# KiCad board choctopus44.kicad_pcb (continued)
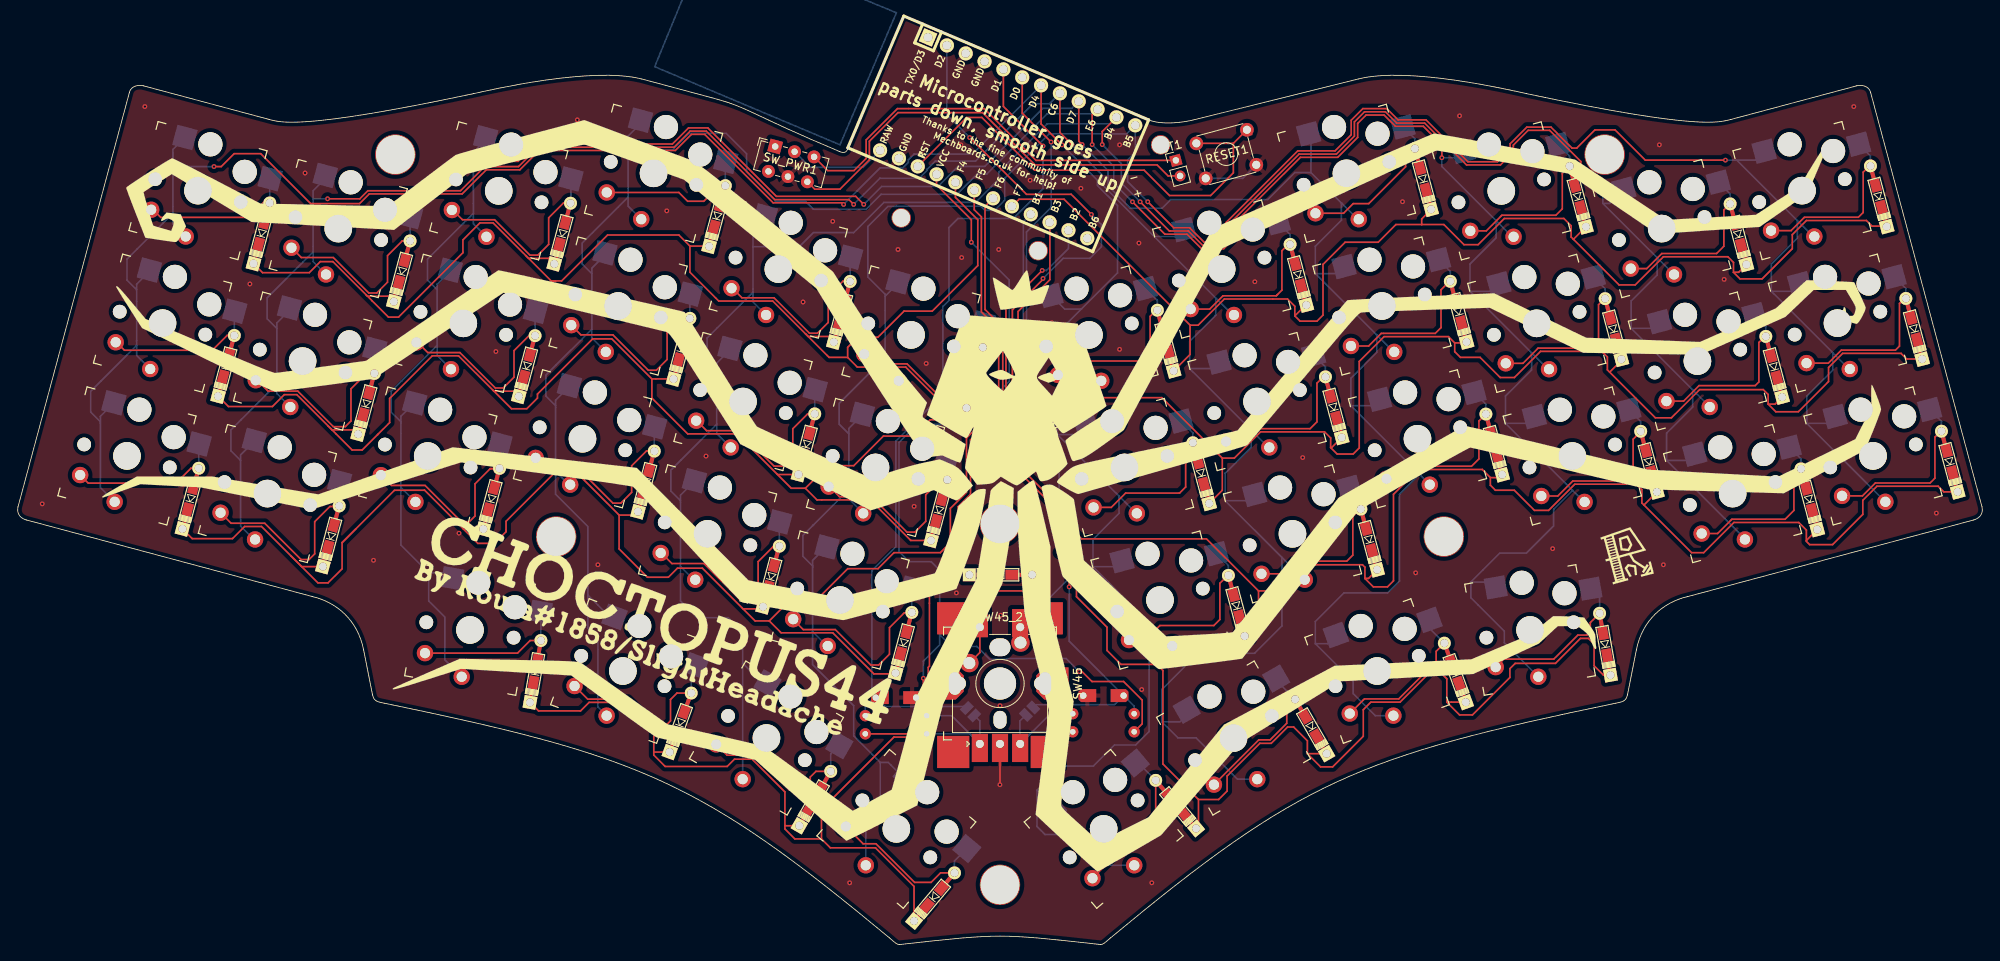
[diagram p0: board, top side]
## Routing (per net, layer and track width the routed paths; a pad name or vN(x,y) marks a point on that pad's centre or on a via; arc(x,y) is an arc through that point) (continued)
col3: length 349.8
  Top w0.2: v1(133.56,99.39) 133.56,103.09 U1.10 ; v1(138.56,92.29) 142.59,88.26 145.33,88.26 147.13,86.46 149.89,86.46 150.96,87.53 150.96,89.36 159.41,97.81 164.04,97.81 166.51,100.28 166.51,102.01 167.56,103.06 169.79,103.06 171.19,101.66 174.66,101.66 176.96,99.36 v1(176.96,97.76) ; 133.54,104.14 133.54,103.9
  Bottom w0.2: 188.47,65.52 187.72,64.77 184.86,64.77 ; 193.19,56.44 184.86,64.77 ; 193.19,56.44 194.7,54.93 ; 193.19,56.44 190.84,54.09 190.84,52.04 187.46,48.66 184.16,48.66 180.56,45.06 ; 184.86,64.77 184.86,68.16 188.09,71.39 188.09,73.53 188.06,73.56 ; v1(176.96,97.76) 176.96,97.68 ; v1(176.96,97.76) 178.86,97.76 SW22.1 ; v1(176.96,97.76) 176.96,96.67 183.66,89.96 ; 71.46,76.46 67.06,72.06 ; 71.46,76.46 71.46,75.37 SW10.1 ; 71.46,76.46 71.46,83.36 ; 180.56,45.06 180.56,43.11 184.71,38.96 184.71,37.52 SW44.1 ; 180.56,45.06 182.99,45.06 SW44.1 ; 67.06,72.06 66.96,71.96 ; 67.06,72.06 65.76,70.76 65.76,68.16 66.96,66.96 ; 75.96,98.71 81.46,98.71 83.53,100.79 88.13,100.79 90.66,98.26 90.66,95.96 94.26,92.36 97.96,92.36 98.96,91.36 105.5,91.36 107.35,93.21 116.76,93.21 119.26,95.71 120.46,95.71 127.96,103.21 133.68,103.21 U1.10 ; 75.96,98.71 75.96,92.86 ; 75.96,98.71 75.96,100.45 77.64,102.12 77.64,102.14 ; 68.64,69.32 66.96,67.65 66.96,66.96 ; 66.96,58.8 66.96,66.96 ; 66.96,58.8 66.96,55.96 70.96,51.96 70.96,43.46 ; 66.96,58.8 68.73,57.03 ; 73.14,85.72 71.46,84.05 71.46,83.36 ; 74.46,39.96 70.96,43.46 ; SW38.1 72.21,29.55 72.21,38.11 70.96,39.36 70.96,43.46 ; SW4.1 75.96,91.75 75.96,92.86 ; v1(133.56,99.39) 136.24,96.71 136.24,94.61 v1(138.56,92.29) ; 71.46,83.36 70.26,84.56 70.26,87.16 75.96,92.86 ; 180.46,81.17 183.32,81.17 184.07,81.92 ; 180.46,81.17 180.46,84.56 183.69,87.79 183.69,89.93 183.66,89.96 ; 180.46,81.17 188.06,73.56 ; 183.66,89.96 185.9,87.73 ; 188.06,73.56 190.3,71.33
col4: length 318.2
  Top w0.2: v1(134.81,99.39) 134.81,101.01 U1.11 ; v1(139.51,92.29) 143.14,88.66 145.49,88.66 147.29,86.86 149.73,86.86 150.56,87.69 150.56,89.53 159.24,98.21 163.88,98.21 166.11,100.44 166.11,102.21 167.36,103.46 169.96,103.46 171.36,102.06 174.83,102.06 180.03,96.86 184.23,96.86 185.84,98.47 185.84,99.33 187.67,101.16 190.34,101.16 194.21,97.29 194.21,96.23 v1(196.94,93.5)
  Bottom w0.2: 214.7,50.33 204.86,60.17 ; 204.86,60.17 204.86,63.56 208.09,66.79 208.09,68.93 208.06,68.96 ; 204.86,60.17 207.72,60.17 208.47,60.92 ; 210.3,66.73 208.06,68.96 ; 208.06,68.96 200.46,76.57 ; 86.96,64.66 86.96,71.56 ; 86.96,64.66 86.96,63.51 SW11.1 ; 86.96,64.66 82.56,60.26 ; 82.56,60.26 81.26,58.96 81.26,56.36 82.46,55.16 ; 82.56,60.26 82.46,60.16 ; 82.46,55.16 82.46,55.85 84.14,57.52 ; 82.46,55.16 82.46,47 ; 91.46,81.06 91.46,86.71 ; 91.46,81.06 91.46,79.85 SW5.1 ; 91.46,81.06 85.76,75.36 85.76,72.76 86.96,71.56 ; 196.94,92.09 203.66,85.36 ; 196.94,92.09 197.78,92.09 SW23.1 ; 196.94,92.09 v1(196.94,93.5) ; 203.66,85.36 205.9,83.13 ; 203.66,85.36 203.69,85.33 203.69,83.19 200.46,79.96 200.46,76.57 ; 200.46,76.57 203.32,76.57 204.07,77.32 ; 91.46,86.71 91.46,88.65 93.14,90.32 93.14,90.34 ; 91.46,86.71 97.21,86.71 98.96,88.46 103.96,88.46 107.71,92.21 119.1,92.21 121.96,95.07 121.96,95.96 127.96,101.96 135.76,101.96 U1.11 ; 88.64,73.92 86.96,72.25 86.96,71.56 ; 90.18,34.84 90.18,38.84 88.38,40.64 84.53,40.64 82.46,42.71 82.46,47 ; 90.18,34.84 SW39.1 ; 90.18,34.84 90.18,34.93 90.21,34.96 93.21,31.96 ; v1(134.81,99.39) 137.19,97.02 137.19,94.61 v1(139.51,92.29) ; 82.46,47 84.23,45.23
col5: length 330.4
  Top w0.2: v1(140.46,92.29) 143.69,89.06 145.66,89.06 147.46,87.26 149.56,87.26 150.16,87.86 150.16,89.69 159.08,98.61 163.71,98.61 165.71,100.61 165.71,102.41 167.16,103.86 170.13,103.86 171.53,102.46 174.99,102.46 180.19,97.26 183.86,97.26 185.44,98.84 185.44,99.5 187.5,101.56 190.51,101.56 193.11,98.96 193.71,98.96 195.96,101.21 198.46,101.21 202.21,97.46 v1(212.16,97.46)
  Bottom w0.2: 107.86,80.55 109.54,82.22 109.54,82.24 ; 107.86,80.55 107.86,80.81 105.71,82.96 105.71,89.21 108.21,91.71 109.24,91.71 109.26,91.73 119.72,91.73 120.23,91.23 121.44,91.23 122.71,92.49 122.71,95.21 128.21,100.71 137.84,100.71 U1.12 138.91,98.44 137.96,97.49 137.96,94.79 v1(140.46,92.29) ; 107.86,80.55 107.86,72.96 ; 103.36,63.46 103.36,56.56 ; 103.36,63.46 103.36,64.15 105.04,65.82 ; 103.36,63.46 102.16,64.66 102.16,67.26 107.86,72.96 ; SW40.1 105.46,14.96 107.25,16.75 107.25,22.67 ; 217.86,81.17 217.86,84.56 221.09,87.79 221.09,89.93 ; 217.86,81.17 225.46,73.56 ; 217.86,81.17 220.72,81.17 221.47,81.92 ; SW12.1 103.36,55.38 103.36,56.56 ; 98.96,52.16 98.86,52.06 ; 98.96,52.16 103.36,56.56 ; 98.96,52.16 97.66,50.86 97.66,48.26 98.86,47.06 ; 213.57,97.46 215.85,97.46 SW24.1 ; 213.57,97.46 v1(212.16,97.46) ; 213.57,97.46 221.09,89.93 ; 221.09,89.93 221.06,89.96 223.3,87.73 ; 225.46,73.56 225.49,73.53 225.49,71.39 222.26,68.16 222.26,64.77 ; 225.46,73.56 227.7,71.33 ; 98.86,38.9 100.63,37.13 ; 98.86,38.9 98.86,47.06 ; 98.86,38.9 98.86,34.81 103.96,29.71 103.96,25.96 107.25,22.67 ; 107.86,72.96 107.86,71.74 SW6.1 ; 98.86,47.06 98.86,47.75 100.54,49.42 ; 222.26,64.77 232.1,54.93 ; 222.26,64.77 225.12,64.77 225.87,65.52 ; 107.25,22.67 108.25,22.67 110.46,20.46
Enc1A: length 108
  Top w0.2: U1.5 122.54,104.13 v1(127.46,99.21)
  Bottom w0.2: 107.71,30.96 107.71,30.77 ; R2.1 105.4,29.65 106.46,30.71 C2.2 ; C2.2 106.22,31.2 106.22,46.47 109.19,49.44 109.19,62.55 115.03,68.39 115.03,79.28 115.78,80.04 115.78,89.09 116.91,90.21 123.76,90.21 127.46,93.91 v1(127.46,99.21) ; C2.2 107.81,29.61 117.81,29.61 JP2.1
Enc1B: length 99.3
  Top w0.2: U1.6 124.88,103.29 v1(128.46,99.71) ; v1(129.46,48.71) 130.71,47.46 v1(130.71,44.46)
  Bottom w0.2: JP1.1 126.61,29.83 136.33,29.83 C1.1 ; 136.46,31.02 136.46,31.21 ; C1.1 130.71,37.71 v1(130.71,44.46) ; C1.1 138.77,29.65 R1.1 ; v1(129.46,48.71) 129.46,62.46 128.71,63.21 128.71,66.46 125.41,69.76 125.41,88.53 128.46,91.58 v1(128.46,99.71)
reset: length 58.4
  Top w0.2: 151.08,99.54 RESET1.3 153.36,100.63 ; 151.08,99.54 RESET1.1 ; 151.08,99.54 151.08,95.88 148.26,93.06 143.16,93.06 140.01,96.21 126.41,96.21 119.86,102.76 117.99,102.76 U1.22
row0: length 161.8
  Top w0.2: 83.63,86.79 85.94,86.79 ; 83.63,86.79 82.26,88.16 73.41,88.16 67.71,82.46 66.96,82.46 ; 83.63,86.79 83.63,83.54 87.21,79.96 93.91,79.96 97.99,75.89 ; 117.91,66.76 115.41,66.76 110.41,71.76 106.43,71.76 104.41,71.76 103.21,72.96 ; D1.1 30.59,83.49 36.39,83.49 37.76,84.86 39.31,84.86 43.43,80.74 ; 43.43,80.74 46.21,77.96 47.46,77.96 55.46,85.96 55.46,87.56 57.56,89.66 59.21,89.66 63.29,85.59 ; 43.43,80.74 43.61,80.56 46.21,80.56 D2.1 ; 97.99,75.89 100.91,72.96 103.21,72.96 ; 97.99,75.89 98.31,75.56 100.8,75.56 D5.1 ; 66.96,82.46 66.46,82.46 ; 66.96,82.46 66.41,82.46 63.29,85.59 ; D3.1 66.11,85.26 63.61,85.26 63.29,85.59 ; U1.20 116.59,92.83 119.36,90.06 119.36,84.36 113.71,78.71 110.21,78.71 106.96,75.46 104.46,75.46 103.21,74.21 103.21,72.96
row1: length 186.4
  Top w0.2: 38.69,64.49 34.84,68.34 33.29,68.34 31.81,66.86 26.35,66.86 D7.1 ; 38.69,64.49 39.21,63.96 41.92,63.96 D8.1 ; 38.69,64.49 41.71,61.46 42.96,61.46 44.86,63.36 ; 44.96,63.46 44.86,63.36 ; 44.86,63.36 46.36,64.86 46.36,67.86 51.66,73.16 54.91,73.16 59.18,68.89 ; 78.91,70.29 73.93,75.26 71.56,75.26 64.71,68.41 64.71,67.91 63.38,66.59 61.49,66.59 59.18,68.89 ; 78.91,70.29 78.91,67.91 83.36,63.46 89.46,63.46 94.46,58.46 ; 78.91,70.29 81.69,70.29 ; 59.18,68.89 59.31,68.76 61.76,68.76 D9.1 ; 94.46,58.46 94.51,58.41 D11.1 ; 94.46,58.46 96.21,56.71 97.96,56.71 ; U1.19 118.92,91.3 119.81,90.41 119.81,78.61 121.96,76.46 121.96,67.96 119.21,65.21 113.46,65.21 111.44,63.19 107.65,63.19 103.97,59.52 100.77,59.52 97.96,56.71 ; 97.96,56.71 99.41,55.26 106.01,55.26 111.04,50.23 D12.1
row2: length 207.8
  Top w0.2: 90.23,41.73 91.73,40.23 93.48,40.23 ; 90.23,41.73 85.18,46.78 82.08,46.78 80.96,45.66 78.36,45.66 74.84,49.18 74.84,53.38 ; 90.23,41.73 92.46,41.73 D17.1 ; 74.84,53.38 76.78,53.38 D16.1 ; 74.84,53.38 69.51,58.71 66.91,58.71 60.81,52.61 60.81,51.31 59.36,49.86 57.31,49.86 55.54,51.64 ; D18.1 109.06,33.66 106.46,33.66 101.36,38.76 94.95,38.76 93.48,40.23 ; 34.16,48.26 35.44,46.98 D14.1 ; 34.16,48.26 30.46,51.96 28.36,51.96 26.86,50.46 21.85,50.46 D13.1 ; 34.16,48.26 37.46,44.96 38.71,44.96 40.46,46.71 40.46,49.96 ; 93.48,40.23 96.3,43.05 99.55,43.05 103.22,46.72 106.97,46.72 108.96,48.71 114.71,48.71 115.96,49.96 115.96,54.21 117.96,56.21 117.96,62.96 122.46,67.46 122.46,76.71 120.26,78.91 120.26,91.71 U1.18 ; 40.46,49.96 46.96,56.46 50.66,56.46 50.68,56.49 55.54,51.64 ; 40.46,49.96 42.15,51.65 ; 55.54,51.64 55.55,51.65 D15.1
row3: length 157.8
  Top w0.2: 193.29,87.63 194.91,89.25 ; 193.29,87.63 198.96,81.96 200.96,81.96 204.46,85.46 212.46,85.46 213.16,84.76 213.16,83.53 ; 193.29,87.63 193.01,87.91 193.01,89.31 192.11,90.21 184.71,90.21 181.46,86.96 179.71,86.96 177.21,89.46 174.46,89.46 ; 175.7,91.39 174.46,90.15 174.46,89.46 ; 174.46,89.46 171.26,89.46 169.06,87.26 164.96,87.26 162.21,84.51 162.21,78.21 161.46,77.46 159.36,77.46 158.71,78.11 ; 143.74,71.35 144.39,72.01 ; 158.71,78.11 160.18,79.58 ; 158.71,78.11 158.71,79.31 157.81,80.21 149.96,80.21 146.71,76.96 145.71,76.96 ; 213.16,83.53 213.8,83.53 D23.1 ; 213.16,83.53 213.98,82.71 216.71,82.71 220.46,86.46 220.46,88.21 222.21,89.96 229.66,89.96 230.36,89.26 232.24,89.26 ; D19.1 145.71,73.32 145.71,76.96 ; 145.71,76.96 130.07,92.6 124.48,92.6 U1.17
row4: length 184.2
  Top w0.2: 163.16,61.76 163.28,61.76 D26.1 ; 163.16,61.76 163.96,60.96 165.96,60.96 166.71,61.71 166.71,72.46 169.79,75.54 177.78,75.54 178.56,74.76 ; 163.16,61.76 163.16,62.96 162.41,63.71 154.46,63.71 151.21,60.46 149.71,60.46 ; 126.12,90.91 U1.16 125.73,90.73 ; 236.74,72.76 234.66,72.76 233.96,73.46 226.71,73.46 224.96,71.71 224.96,69.96 221.21,66.21 218.41,66.21 217.46,67.16 ; v1(125.86,67.56) 129.46,67.56 129.86,67.96 142.21,67.96 149.71,60.46 ; 149.71,60.46 149.71,56.45 D25.1 ; D27.1 179.92,74.76 178.56,74.76 ; 217.46,67.16 217.46,68.36 216.86,68.96 208.96,68.96 205.46,65.46 203.46,65.46 197.79,71.13 ; 217.46,67.16 218.32,67.16 D29.1 ; 178.56,74.76 178.56,73.67 179.27,72.96 181.71,72.96 184.21,70.46 185.96,70.46 189.21,73.71 196.81,73.71 197.51,73.01 197.51,71.41 197.79,71.13 ; 197.79,71.13 199.41,72.75
  Bottom w0.2: U1.16 125.01,89.8 125.01,68.41 v1(125.86,67.56)
row5: length 202.6
  Top w0.2: D32.1 167.86,45.51 167.41,45.51 ; 222.21,50.23 222.21,50.11 222.61,49.71 225.46,49.71 229.21,53.46 229.21,55.21 230.96,56.96 238.56,56.96 239.26,56.26 D36.1 ; 222.21,50.23 D35.1 ; 222.21,50.23 222.21,51.51 221.26,52.46 213.21,52.46 209.46,48.71 207.96,48.71 202.04,54.63 ; D33.1 184.1,58.04 182.99,58.04 ; 154.21,43.96 154.21,40.07 D31.1 153.14,39.01 ; 154.21,43.96 147.75,50.42 132.25,50.42 130.46,52.21 130.46,53.46 124.36,59.56 124.36,78.66 128.31,82.61 128.31,89.7 U1.15 ; 154.21,43.96 155.46,43.96 158.71,47.21 167.11,47.21 167.41,46.91 167.41,45.51 ; 202.04,54.63 201.78,54.89 201.78,56.54 201.11,57.21 199.46,57.21 193.46,57.21 190.21,53.96 188.46,53.96 185.96,56.46 183.61,56.46 182.99,57.09 182.99,58.04 ; 202.04,54.63 D34.1 ; 182.99,58.04 181.98,59.04 174.04,59.04 170.96,55.96 170.96,45.21 170.21,44.46 168.46,44.46 167.41,45.51
row6: length 164.5
  Top w0.2: 99.96,13.16 101.06,12.06 106.66,12.06 111.45,7.27 D40.1 ; 99.96,13.16 96.66,13.16 95.43,14.39 95.43,14.79 ; 99.96,13.16 99.96,16.81 108.96,25.81 110.81,25.81 112.21,27.21 113.21,27.21 114.21,28.21 114.21,28.96 113.21,29.96 113.21,34.46 113.36,34.61 113.36,43.79 116.92,47.35 ; 116.92,47.35 116.92,54.42 118.46,55.96 118.46,62.71 122.86,67.11 122.86,79.26 v1(127.36,83.76) ; 116.92,47.35 D45.1 ; 95.43,14.79 95.43,18.99 91.36,23.06 89.16,23.06 88.26,22.16 80.56,22.16 79.15,23.57 79.15,23.95 ; 95.43,14.79 D39.1 ; 79.15,23.95 79.15,26.77 75.8,30.12 71.12,30.12 70.06,29.06 64.84,29.06 D37.1 ; 79.15,23.95 D38.1
  Bottom w0.2: U1.14 130.62,86.48 127.89,83.76 v1(127.36,83.76)
row7: length 209.7
  Top w0.2: 146.75,18.05 146.75,14.75 D41.1 ; 146.75,18.05 142.34,22.47 142.34,34.08 141.59,34.84 137.14,34.84 135.4,36.57 135.4,39.45 131.61,43.24 131.61,47.56 130.06,49.11 130.06,53.16 123.66,59.56 123.66,78.86 127.46,82.66 ; 146.75,18.05 149.25,18.05 150.31,19.11 150.31,20.97 154.37,25.03 155.79,25.03 157.81,27.06 158.56,27.06 160.27,25.35 160.27,23.75 ; D44.1 197.02,33.5 195.86,34.66 195.86,37.36 195.16,38.06 194.16,38.06 191.06,34.96 186.06,34.96 185.41,34.31 185.41,33.21 180.76,28.56 179.16,28.56 177.58,30.14 ; 160.27,23.75 161.91,22.11 163.41,22.11 167.21,25.91 167.21,29.21 168.14,30.14 171.78,30.14 175.59,33.96 176.66,33.96 177.58,33.04 177.58,30.14 ; 160.27,23.75 D42.1 ; 177.58,30.14 D43.1 ; v1(133.46,90.71) 130.96,93.21 125.41,93.21 v1(118.36,100.26)
  Bottom w0.2: v1(118.36,100.26) 115.53,103.09 U1.2 ; v1(127.46,82.76) 129.96,85.26 133.26,85.26 134.71,86.71 134.71,89.46 v1(133.46,90.71)
Net-(BT1-Pad1): length 52.8
  Top w0.2: BT1.1 126.59,97.43 120.16,103.86 109.39,103.86 105.51,99.98 105.51,97.68 103.99,96.16 100.74,96.16 SW_PWR1.2
Net-(BT1-Pad2): length 55.2
  Top w0.2: BT1.2 142.99,95.49 141.63,96.86 126.46,96.86 119.96,103.36 109.46,103.36 105.91,99.81 105.91,97.51 102.26,93.86 99.12,93.86 SW_PWR1.4
Net-(D1-Pad2): length 18.9
  Top w0.2: 16.95,91.35 17.95,90.35 28.85,90.35 30.69,92.19 31.67,92.19
  Bottom w0.2: SW1.2 31.48,95.1 D1.2
Net-(D2-Pad2): length 24.7
  Top w0.2: 48.92,87.44 47.94,87.44 46.1,85.6 46.1,82.3 44.76,80.96 43.78,80.96 39.38,85.36 35.4,85.36 SW2.2
  Bottom w0.2: SW2.2 48.9,90.38 D2.2
Net-(D3-Pad2): length 24.7
  Top w0.2: 54.18,91.28 55.4,90.06 59.38,90.06 63.78,85.66 64.76,85.66 66.1,87 66.1,90.3 67.94,92.14 68.92,92.14
  Bottom w0.2: SW3.2 68.87,92.16 D3.2
Net-(D4-Pad2): length 20.1
  Top w0.2: 88.17,94.19 87.19,94.19 85.35,92.35 83.35,92.35 82.25,93.45 SW4.2 74.25,93.45
  Bottom w0.2: SW4.2 88.03,97.25 D4.2
Net-(D5-Pad2): length 24.7
  Top w0.2: 88.88,81.58 90.1,80.36 94.08,80.36 98.48,75.96 99.46,75.96 100.8,77.3 100.8,80.6 102.64,82.44 103.62,82.44
  Bottom w0.2: D5.2 103.52,85.35 SW5.2
Net-(D6-Pad2): length 25.7
  Top w0.2: 120.12,74.24 119.14,74.24 117.3,72.4 117.3,69.1 115.96,67.76 114.98,67.76 110.58,72.16 106.6,72.16 105.38,73.38 ; 120.17,74.19 119.19,74.19
  Bottom w0.2: D6.2 119.99,77.18 SW6.2
Net-(D7-Pad2): length 18.9
  Top w0.2: 27.17,75.69 26.19,75.69 24.35,73.85 13.45,73.85 12.45,74.85
  Bottom w0.2: D7.2 27.08,78.64 SW7.2
Net-(D8-Pad2): length 25.1
  Top w0.2: 44.42,70.94 43.44,70.94 41.56,69.06 41.56,65.06 40.86,64.36 39.38,64.36 34.96,68.78 31.27,68.78 29.87,70.17
  Bottom w0.2: D8.2 44.47,73.93 SW8.2
Net-(D9-Pad2): length 24.7
  Top w0.2: 64.62,75.64 63.64,75.64 61.8,73.8 61.8,70.5 60.46,69.16 59.48,69.16 55.08,73.56 51.1,73.56 49.88,74.78
  Bottom w0.2: D9.2 64.41,78.62 SW9.2
Net-(D10-Pad2): length 24.7
  Top w0.2: 68.88,76.98 70.1,75.76 74.08,75.76 78.48,71.36 79.46,71.36 80.8,72.7 80.8,76 82.64,77.84 83.62,77.84
  Bottom w0.2: SW10.2 83.63,80.77 D10.2
Net-(D11-Pad2): length 24.7
  Top w0.2: 99.22,65.94 98.24,65.94 96.4,64.1 96.4,60.8 95.06,59.46 94.08,59.46 89.68,63.86 85.7,63.86 84.48,65.08
  Bottom w0.2: SW11.2 99.13,68.9 D11.2
Net-(D12-Pad2): length 24.7
  Top w0.2: 100.98,56.88 102.2,55.66 106.18,55.66 110.58,51.26 111.56,51.26 112.9,52.6 112.9,55.9 114.74,57.74 115.72,57.74
  Bottom w0.2: D12.2 115.58,60.72 SW12.2
Net-(D13-Pad2): length 18.9
  Top w0.2: SW13.2 8.95,57.35 19.85,57.35 21.69,59.19 D13.2
  Bottom w0.2: SW13.2 22.67,62.15 D13.2
Net-(D14-Pad2): length 25.1
  Top w0.2: SW14.2 26.69,52.36 30.86,52.36 35.36,47.86 36.36,47.86 37.06,48.56 37.06,52.56 38.94,54.44 39.92,54.44
  Bottom w0.2: SW14.2 40.1,57.48 D14.2
Net-(D15-Pad2): length 26
  Top w0.2: 58.84,59.14 59.82,59.14 58.84,59.14 ; 58.84,59.14 56.96,57.26 56.96,53.26 56.26,52.56 55.26,52.56 50.76,57.06 46.59,57.06 45.27,58.37
  Bottom w0.2: SW15.2 60,62.14 D15.2
Net-(D16-Pad2): length 24.7
  Top w0.2: 64.48,60.48 65.7,59.26 69.68,59.26 74.08,54.86 75.06,54.86 76.4,56.2 76.4,59.5 78.24,61.34 79.22,61.34
  Bottom w0.2: D16.2 79.21,64.28 SW16.2
Net-(D17-Pad2): length 24.7
  Top w0.2: 94.92,49.44 93.94,49.44 92.1,47.6 92.1,44.3 90.76,42.96 89.78,42.96 85.38,47.36 81.4,47.36 80.18,48.58
  Bottom w0.2: SW17.2 94.73,52.48 D17.2
Net-(D18-Pad2): length 24.7
  Top w0.2: 111.22,41.24 110.24,41.24 108.4,39.4 108.4,36.1 107.06,34.76 106.08,34.76 101.68,39.16 97.7,39.16 96.48,40.38
  Bottom w0.2: D18.2 111.17,44.25 SW18.2
Net-(D19-Pad2): length 21.8
  Top w0.2: SW19.2 131.49,70.79 133.21,72.51 140.11,72.51 140.76,73.16 140.76,78.06 141.52,78.82 D19.2
  Bottom w0.2: SW19.2 141.65,80.05 D19.2
Net-(D20-Pad2): length 21.9
  Top w0.2: 158.05,87.02 157.92,87.02 157.11,86.21 157.11,81.31 156.56,80.76 ; 156.56,80.76 156.45,80.65 ; 156.56,80.76 156.41,80.61 149.79,80.61 148.15,78.96 SW20.2
  Bottom w0.2: D20.2 158.12,88.22 SW20.2
Net-(D21-Pad2): length 19.6
  Top w0.2: SW21.2 164.76,90.86 165.96,92.06 167.89,92.06 172.46,96.63 172.46,97.76 173.52,98.82 173.65,98.82
  Bottom w0.2: D21.2 173.61,100.12 SW21.2
Net-(D22-Pad2): length 21.5
  Top w0.2: 192.85,96.62 192.72,96.62 191.91,95.81 191.91,91.41 191.11,90.61 184.41,90.61 182.48,88.68 SW22.2
  Bottom w0.2: D22.2 192.83,97.94 SW22.2
Net-(D23-Pad2): length 21.7
  Top w0.2: SW23.2 202.39,83.99 204.26,85.86 211.06,85.86 211.96,86.76 211.96,91.26 212.72,92.02 212.85,92.02
  Bottom w0.2: D23.2 212.74,93.25 SW23.2
Net-(D24-Pad2): length 22
  Top w0.2: 230.25,96.82 230.12,96.82 229.26,95.96 229.26,90.96 228.66,90.36 221.96,90.36 220.31,88.71 SW24.2
  Bottom w0.2: D24.2 230.16,97.97 SW24.2
Net-(D25-Pad2): length 21.8
  Top w0.2: SW25.2 135.93,54.33 137.71,56.11 144.41,56.11 145.16,56.86 145.16,61.66 145.92,62.42 146.05,62.42
  Bottom w0.2: D25.2 146.06,63.59 SW25.2
Net-(D26-Pad2): length 21.8
  Top w0.2: 162.45,70.62 162.32,70.62 161.46,69.76 161.46,64.96 160.61,64.11 154.11,64.11 152.51,62.51 SW26.2
  Bottom w0.2: SW26.2 162.51,71.77 D26.2
Net-(D27-Pad2): length 21.8
  Top w0.2: 178.05,82.42 177.92,82.42 176.86,81.36 176.86,76.66 176.14,75.94 169.44,75.94 167.88,74.38 SW27.2
  Bottom w0.2: SW27.2 178.02,83.64 D27.2
Net-(D28-Pad2): length 21.8
  Top w0.2: SW28.2 187.03,72.23 188.91,74.11 195.91,74.11 196.41,74.61 196.41,79.51 197.12,80.22 197.25,80.22
  Bottom w0.2: SW28.2 197.23,81.49 D28.2
Net-(D29-Pad2): length 21.9
  Top w0.2: 217.25,75.62 217.12,75.62 216.31,74.81 216.31,69.91 215.86,69.46 208.89,69.46 206.97,67.54 SW29.2
  Bottom w0.2: D29.2 217.17,76.8 SW29.2
Net-(D30-Pad2): length 22.2
  Top w0.2: SW30.2 224.93,72.25 226.54,73.86 233.26,73.86 233.76,74.36 233.76,79.66 234.52,80.42 234.65,80.42
  Bottom w0.2: D30.2 234.56,81.51 SW30.2
Net-(D31-Pad2): length 21.6
  Top w0.2: 150.45,45.82 150.32,45.82 149.41,44.91 149.41,40.41 148.66,39.66 141.96,39.66 140.16,37.86 SW31.2
  Bottom w0.2: SW31.2 150.47,47.12 D31.2
Net-(D32-Pad2): length 21.7
  Top w0.2: 166.85,54.02 166.72,54.02 165.91,53.21 165.91,48.41 165.16,47.66 158.46,47.66 156.88,46.08 SW32.2
  Bottom w0.2: D32.2 166.91,55.34 SW32.2
Net-(D33-Pad2): length 21.7
  Top w0.2: SW33.2 172.23,57.89 173.78,59.44 180.64,59.44 181.56,60.36 181.56,65.06 182.32,65.82 182.45,65.82
  Bottom w0.2: D33.2 182.43,67.15 SW33.2
Net-(D34-Pad2): length 21.4
  Top w0.2: SW34.2 191.35,55.75 193.21,57.61 199.71,57.61 200.71,58.61 200.71,62.81 201.52,63.62 201.65,63.62
  Bottom w0.2: SW34.2 201.64,65.01 D34.2
Net-(D35-Pad2): length 21.5
  Top w0.2: SW35.2 211.19,51.09 212.96,52.86 219.56,52.86 220.66,53.96 220.66,58.16 221.52,59.02 221.65,59.02
  Bottom w0.2: SW35.2 221.54,60.35 D35.2
Net-(D36-Pad2): length 22
  Top w0.2: 239.05,63.82 238.92,63.82 238.16,63.06 238.16,57.96 237.56,57.36 230.76,57.36 229.16,55.76 SW36.2
  Bottom w0.2: D36.2 238.97,65.02 SW36.2
Net-(D37-Pad2): length 18.6
  Top w0.2: D37.2 63.8,37.8 62.24,36.24 SW37.2
  Bottom w0.2: D37.2 65.14,41.36 SW37.2
Net-(D38-Pad2): length 23.5
  Top w0.2: SW38.2 70.95,30.52 75.97,30.52 79.33,27.16 80.56,27.16 81.23,27.83 81.23,30.48 82.03,31.28 D38.2
  Bottom w0.2: SW38.2 83.79,34.13 D38.2
Net-(D39-Pad2): length 21.7
  Top w0.2: SW39.2 88.24,23.56 91.66,23.56 95.96,19.26 97.86,19.26 98.57,19.97 98.57,20.85 99.27,21.55 D39.2
  Bottom w0.2: D39.2 101.11,23.74 SW39.2
Net-(D40-Pad2): length 20.5
  Top w0.2: SW40.2 105.13,12.56 106.73,12.56 111.53,7.76 113.56,7.76 114.75,8.95 D40.2
  Bottom w0.2: D40.2 116.47,10.42 SW40.2
Net-(D41-Pad2): length 18.8
  Top w0.2: SW41.2 141.45,16.13 D41.2
  Bottom w0.2: D41.2 139.28,22.6 SW41.2
Net-(D42-Pad2): length 19.2
  Top w0.2: D42.2 157.71,29.45 157.71,27.52 155.65,25.47 154.24,25.47 SW42.2
  Bottom w0.2: D42.2 156.39,32.87 SW42.2
Net-(D43-Pad2): length 19.8
  Top w0.2: D43.2 176.26,36.46 176.26,35.19 171.61,30.54 167.34,30.54 SW43.2
  Bottom w0.2: D43.2 175.42,39.32 SW43.2
Net-(D44-Pad2): length 19.9
  Top w0.2: D44.2 195.39,40.03 195.39,38.89 194.98,38.48 193.84,38.48 190.86,35.5 184.65,35.5 SW44.2
  Bottom w0.2: D44.2 196.54,43.11 SW44.2
Net-(D45-Pad2): length 19.2
  Top w0.2: D45.2 126.11,44.59 125.49,43.96 120.71,43.96 119.62,42.87 SW45.S2 119.62,36.31 SW45_2.2
  Bottom w0.2: SW45.S2 119.62,41.67
Net-(JP1-Pad2): length 19.5
  Top w0.2: 124.62,25.26 SW45.B
  Bottom w0.2: JP1.2 124.59,27.81 124.59,25 SW45.B ; R3.1 126.12,26.46 SW45.B ; R1.2 128.37,28.71 SW45.B
Net-(JP2-Pad2): length 19
  Bottom w0.2: SW45.A 118.37,26.21 R4.2 ; SW45.A 116.12,28.46 R2.2 ; SW45.A 119.62,27.8 JP2.2
Net-(SW_PWR1-Pad1): length 12.3
  Bottom w0.2: U1.24 105.13,96.56 98.57,96.56 SW_PWR1.1

## Copper pours and planes (outline as drawn; the poured copper is in the pictures)
GND on Top: 13.76,108.06 33.85,102.74 36.92,102.73 40.01,103.04 52.46,106.21 60.53,108.15 70.36,108.76 78.06,108.51 90.76,103.91 98.96,100.21 102.46,98.96 106.71,111.96 108.46,115.21 110.96,115.71 113.71,114.71 153.31,107.04 170.21,108.46 177.16,108.06 182.46,107.56 189.26,106.36 195.46,104.76 203.1,103.21 205.33,103.01 208.66,102.78 210.79,102.83 215.47,103.42 222.96,105.46 231.22,107.7 246.2,52.91 232.13,49.28 217.31,45.43 208.87,43.21 205.76,42.26 204.46,41.36 203.66,40.46 202.96,39.46 202.36,38.16 201.86,36.46 201.56,33.76 201.46,31.46 201.66,29.46 193.76,28.16 185.96,26.56 180.06,25.06 174.46,23.36 169.66,21.56 165.66,19.76 160.66,17.16 154.36,13.16 148.06,8.46 141.76,3.26 136.76,-1.04 127.26,-0.14 122.46,0.06 117.16,-0.14 108.26,-1.04 101.66,4.46 94.86,9.76 89.66,13.46 84.66,16.56 81.16,18.46 76.76,20.56 70.96,22.76 65.06,24.46 57.76,26.16 49.66,27.66 41.86,28.96 42.06,30.76 42.16,32.56 41.86,35.66 41.36,37.46 40.56,39.06 38.96,40.86 37.16,42.06 33.76,42.76 26.06,44.86 17.46,47.36 10.06,49.46 4.16,51.16 -2.78,52.76
GND on Bottom: 13.75,108.05 33.9,102.72 36.84,102.71 40.01,103.02 52.46,106.21 60.67,108.12 69.56,108.66 78.06,108.46 90.76,103.91 98.96,100.21 102.46,98.96 106.71,111.96 108.46,115.21 110.96,115.71 113.71,114.71 153.11,107.06 170.21,108.46 177.56,108.06 181.66,107.66 187.06,106.76 193.16,105.36 203.18,103.27 206.51,102.98 210.03,102.78 215.52,103.44 222.96,105.46 231.26,107.72 246.2,52.91 222.21,46.71 208.76,43.21 206.26,42.46 205.06,41.86 203.96,40.86 203.26,39.96 202.46,38.46 201.86,36.36 201.56,34.36 201.46,31.46 201.66,29.46 190.66,27.56 182.26,25.66 176.26,23.96 171.66,22.36 167.56,20.66 162.86,18.36 158.36,15.76 154.66,13.36 147.66,8.16 141.76,3.26 136.76,-1.04 128.36,-0.24 124.06,0.06 120.66,0.06 116.66,-0.24 108.26,-1.02 105.16,1.56 101.76,4.36 97.66,7.66 92.26,11.66 88.06,14.46 83.86,17.06 79.36,19.36 75.96,20.86 70.96,22.76 64.26,24.66 57.86,26.16 49.86,27.66 41.86,28.96 42.16,32.16 42.06,33.86 41.86,35.76 41.36,37.46 40.56,39.06 38.96,40.86 37.06,42.06 32.56,43.06 25.76,44.96 15.66,47.86 4.16,51.16 -2.77,52.74

## Text on the board
B.Silkscreen: COL 5 | COL 4 | COL 3 | COL 0 | COL 1 | COL 2 | ROW 2-> | ROW 1-> | ROW 0-> | <-ROW 6 | <-ROW 5 | ROW 7-> | <-ROW 3 | <-ROW 4 | ROW 0 | ROW 1 | ROW 2 | ROW 3 | ROW 4 | ROW 5 | ROW 6 | Choctopus44 [Prototype] / Designed by Routa#1858/SlightHeadache 2021 / Based on REVIUNG41 rev1.3 GH by gtips 2021 | JLCJLCJLCJLC
F.Silkscreen: Thanks to the fine community of / Mechboards.co.uk for help! | - | + | Microcontroller goes / parts down, smooth side up
